# Altium PCB MKRZero_V5.0.PcbDoc (part 2 of 2)
Units mm, origin at the board's own origin, x right, y up, seen from the top; angles counter-clockwise.
Board outline 61.5 x 25 mm, 2 copper layers (Top, Bottom); 92 components, 67 nets, 307 pads, 160 vias.
Unrouted connection lines stored in the file: 95.
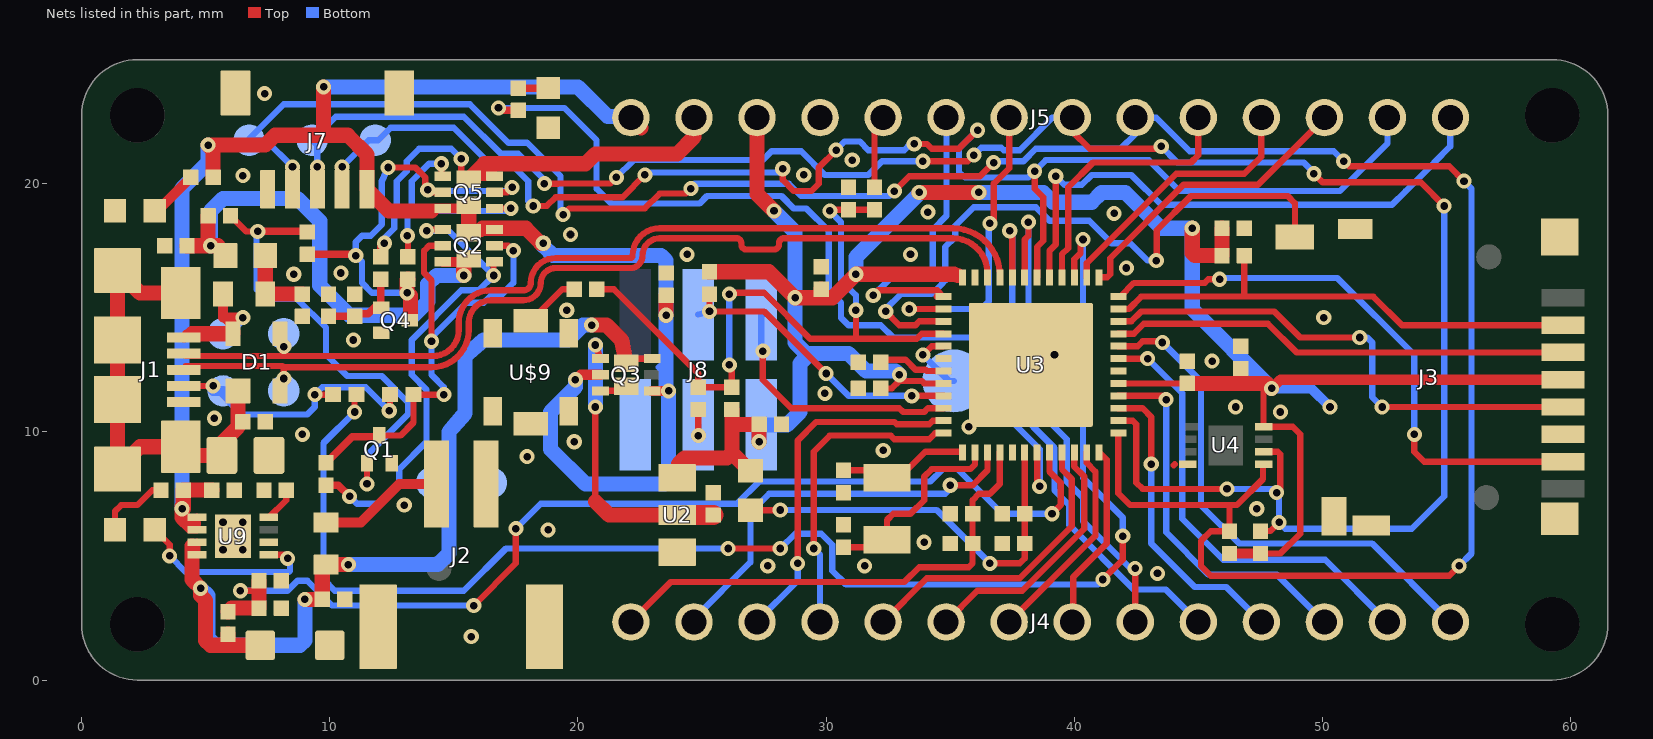
[diagram p2: the nets of this part, all layers, seen from the top]

## Part data
BATT+ BATT- D+ D- ESCL ESDA EWK USB_ID VUSB: library part B1,27, PackageName=B1,27
C1 C2 C3 C4 C5 C7 C8 C9 C10 C11 C12 C13 C14 C15 C19 C27 C28 C29 C30 C32 C33 R1 R2 R3 R4 R5 R6 R7 R8 R9 R10 R11 R12 R13 R14 R15 R16 R17 R18 R19 R20 R22 R23: library part 0402-1005X55N, PackageName=0402-1005X55N
C6: library part C0805, PackageName=C0805
D1: library part SOT190P230X110-4N, PackageName=SOT190P230X110-4N
D2 D3: library part SODFL1008X40N-882D, PackageName=SODFL1008X40N-882D
D4: library part SMA_DO123, PackageName=SMA_DO123
DL1 DL2 DL3: library part LEDC1608X80N-AK, PackageName=LEDC1608X80N-AK
F1 F2: library part 0603-F1608X100N, PackageName=0603-F1608X100N
FD1 FD2 FD3: library part FIDUCIAL-MOUNT, PackageName=FIDUCIAL-MOUNT
FRAME1 FRAME2: library part FRAME, PackageName=FRAME
J1: library part USBMICRO-ZX62-AB-5PA, PackageName=USBMICRO-ZX62-AB-5PA
J2: library part JST-S2B-PH-SM4-TB, PackageName=JST-S2B-PH-SM4-TB
J3: library part AMPHENOL_114-00841-68, PackageName=AMPHENOL_114-00841-68
J4 J5: library part STRIP-14-MODULI-A11, PackageName=STRIP-14-MODULI-A11
J7: library part SM05B-SRSS-TB, PackageName=SM05B-SRSS-TB
J8: library part 2X3_SMT, PackageName=2X3_SMT
L2 L6: library part 0603-1608X90N, PackageName=0603-1608X90N
PA28: library part B2,54, PackageName=B2,54
Q1 Q4: library part SOTFL50P160X78-3, PackageName=SOTFL50P160X78-3
Q2 Q5: library part SON65P200X200X60-8N-DM, PackageName=SON65P200X200X60-8N-DM
Q3: library part SON65P205X205X75-8N-MWSD, PackageName=SON65P205X205X75-8N-MWSD
U2: library part SOT150P400X160-3N, PackageName=SOT150P400X160-3N
U3: library part QFN50P700X700X90-49XN-EPSQ515, PackageName=QFN50P700X700X90-49XN-EPSQ515
U4: library part SON50P300X200X60-9N-EP160X140, PackageName=SON50P300X200X60-9N-EP160X140
U9: library part 2X3DFN, PackageName=2X3DFN
U$5 U$6 U$7 U$8: library part MH_RND_F_2.2MM_NM, PackageName=MH_RND_F_2.2MM_NM
U$9: library part C&K_PTS820_NOPEGS, PackageName=C&K_PTS820_NOPEGS
Y1: library part QUARZO-ABS07, PackageName=QUARZO-ABS07

## Free pads (board coordinates)
  round 2.2 hole 2.2 unplated: MH1(2.25,2.25) MH2(59.25,2.25) MH3(59.25,22.75) MH4(2.25,22.75)

## Via types
v1: diameter 0.61/0.61 (per signal layer), hole 0.305, Top to Bottom, 160 vias

## Nets (pads, with @x,y where several pads share a name; then routed paths per layer and width w, separated by ;. In a path a pad name is that pad's centre, name@x,y a point inside that pad or via, vN(x,y) a via of type N, cw(c..) or ccw(c..) an arc to the next point about the centre after c; other vN are vias at no path point)
+3V3: C1.1 C10.1 C19.1 C28.1 C29.1 C33.1 J3.4 J5.12 J8.1 L6.1 R7.2 R16.2 R17.2 R22.2 R23.2 U2.3 U3.17 U3.36 U3.44 U4.8 | length 101.1
  Top w0.254: C28.1@32.2,11.75 32.65,11.75 v1@32.95,12.05 ; v1(32.95,12.3) v1@32.95,12.05 ; U3.44@34.725,11.95 33.95,11.95 33.85,12.05 v1@32.95,12.05 ; 35.3,16.3 35.425,16.3 U3.36@35.5,16.225 ; U3.17@41.775,11.95 C19.1@44.55,11.95 ; 47.4,11.95 47.625,11.725 U4.8@47.625,10.2 48.8,10.2 49.1,9.9 49.1,5.9 48.3,5.1 R22.2@47.5,5.1
  Top w0.305: v1(47.95,11.75) v1@47.975,11.725
  Top w0.406: R23.2@46.25,5.1 R22.2@47.5,5.1 ; v1(47.95,11.75) 48.3,12.1 J3.4@59.688,12.1
  Top w0.61: U2.3@24,8.15 24.05,8.7 24.3,8.95 26,8.95 26.2,9.15 ; R7.2@25.3,16.45 27.7,16.45 v1(28.75,15.4) 29.7,15.4 ; R16.2@26.2,10.9 26.2,10.2 ; L6.1@26.95,8.44 26.91,8.44 26.2,9.15 ; J5.12@27.215,22.66 27.215,19.585 v1(27.9,18.9) ; v1(27.3,9.6) C10.1@27.3,10.3 26.3,10.3 26.2,10.2 ; C29.1@29.8,15.75 29.8,15.5 29.7,15.4 ; v1(33.75,19.65) v1(36.15,19.65) ; 35.3,16.3 35.15,16.35 v1(31.2,16.35) 30.25,15.4 29.7,15.4 ; C19.1@44.55,11.95 46.9,11.95 ; v1(44.75,18.2) 44.75,17.2 44.85,17.1 45.95,17.1 C1.1@45.95,18.2 ; C33.1@46.7,12.55 46.7,12.15 46.9,11.95 ; v1@47.8,11.9 v1(47.95,11.75) 47.75,11.95 47.4,11.95 46.9,11.95 ; 26.2,9.15 26.2,10.2
  Bottom w0.406: v1(47.95,11.75) 49.55,11.75 v1(50.3,11)
  Bottom w0.61: v1(27.3,9.6) 27.3,10.187 J8.1@27.39,10.278 28.427,10.278 28.95,10.8 28.95,12.75 29.275,13.075 ; v1(27.9,18.9) 28.75,18.05 v1(28.75,15.4) 28.75,13.6 29.275,13.075 ; v1(31.2,16.35) 31.2,17.05 33.7,19.55 v1(33.75,19.65) ; v1(32.95,12.3) 32.8,12.45 31.6,12.45 30.9,13.15 29.35,13.15 29.275,13.075 ; v1(36.15,19.65) 38.75,19.65 39.15,19.25 40.7,19.25 41.1,19.65 42.05,19.65 43.5,18.2 v1(44.75,18.2) 44.75,14.95 v1(47.95,11.75)
+5V: C2.1 J5.14 J7.1 Q2.D2 Q2.D2' Q3.A Q3.G Q5.D2 Q5.D2' R4.2 R5.2 R10.2 U9.1 U9.2 | length 80
  Top w0.305: 4.5,6.3 4.35,6.05 U9.2@4.65,6.05 U9.1@4.65,6.55
  Top w0.406: 14.1,18.9 14.2,19 Q5.D2@14.56,19 15.475,19 Q5.D2'@15.6,19.125 ; Q2.D2'@15.6,18.025 15.725,18.15 16.1,18.15 Q2.D2@16.64,18.15 Q2.D2@16.95,18.15 ; v1(19.9,12.1) 20.1,12.3 Q3.G@20.91,12.3 ; Q3.A@22.99,11.65 v1(23.65,11.65)
  Top w0.61: v1@4.05,7 v1(4.05,6.9) ; 4.5,6.3 4.4,6.2 4.05,6.55 v1(4.05,6.9) ; C2.1@5.25,7.65 R5.2@4.1,7.65 4.1,6.9 v1(4.05,6.9) ; R4.2@5.3,20.25 5.3,21.35 v1(5.1,21.55) 7.4,21.55 7.8,21.95 9.6,21.95 ; v1(9.75,23.9) 9.75,22.1 9.6,21.95 ; 14.1,18.9 12.375,18.9 11.5,19.775 11.5,21.175 10.725,21.95 9.6,21.95 ; Q2.D2'@15.6,18.025 Q5.D2'@15.6,19.125 ; 16.1,18.15 16.15,18.2 17.9,18.2 18.5,17.6 v1(18.6,17.6) ; J5.14@22.135,22.66 J5.14@22.545,22.25 ; v1(23.55,14.7) R10.2@23.55,15.5
  Bottom w0.254: 23.25,12.6 23.55,12.3 ; v1@23.55,11.75 v1(23.65,11.65) v1@23.7,11.6
  Bottom w0.61: v1(4.05,6.9) 4.05,19.8 5.1,20.85 v1(5.1,21.55) ; v1(9.75,23.9) 20,23.9 21.2,22.7 22.095,22.7 J5.14@22.135,22.66 ; v1(18.6,17.6) 18.6,17.5 19,17.1 23.35,17.1 23.55,16.9 v1(23.55,14.7) 23.55,12.3 v1@23.55,11.75 ; v1(19.9,12.1) 19.9,11.8 18.9,10.8 18.9,9.3 20.3,7.9 23.5,7.9 23.65,8.05 v1(23.65,11.65)
GND: BATT-.PP C1.2 C2.2 C3.2 C4.2 C5.2 C6.2 C7.2 C8.2 C9.1 C10.2 C11.1 C12.2 C13.2 C14.2 C15.2 C19.2 C27.2 C28.2 C29.2 C30.2 C32.2 C33.2 D4.A DL1.C DL3.C J1.5 J2.2 J2.3 J2.4 J3.6 J3.CD2 J3.SH1 J3.SH2 J3.SH3 J3.SH4 J5.11 J7.5 J7.SH1 J7.SH2 J8.5 Q1.S Q4.S R2.1 R3.1 R9.1 R10.1 R12.1 U2.1 U3.5 U3.18 U3.35 U3.42 U3.49 U4.4 U9.6 U9.PAD U$9.1 U$9.2 U$9.3 U$9.4 U$9.5 | length 0.1
  Top w0.254: 44,8.65 44.05,8.7
  other v1: 15.7,1.75 43.35,4.3 27.65,4.6 31.55,4.6 5.7,5.25 6.5,5.25 33.95,5.55 18.8,6.05 5.7,6.35 6.5,6.35 47.35,6.9 13,7.05 17.95,9 32.3,9.25 19.85,9.6 8.9,9.9 35.75,10.2 5.35,10.55 48.3,10.8 46.5,11 29.95,11.55 45.55,12.85 39.2,13.1 10.95,13.7 50.05,14.6 19.55,14.9 8.55,16.35 10.45,16.4 42.1,16.6 24.4,17.15 33.4,17.15 19.7,17.95 41.6,18.8 34.1,18.85 6.5,20.325 29.1,20.35 31.05,20.95 7.375,23.625
N17650912: D1.4 F2.2 J1.1 VUSB.PP | length 5.8
  Top w0.305: 5.7,14.6 6.25,14.05 6.2,14.05 D1.4@6.1,13.95
  Top w0.406: J1.1@4.125,13.8 4.275,13.95 J1.1@4.45,13.95 ; F2.2@5.7,15.55 5.7,14.6 v1(6.5,14.6)
  Top w0.61: J1.1@4.45,13.95 D1.4@6.1,13.95
  Bottom w0.406: VUSB.PP@5.7,13.95 5.85,13.95 v1(6.5,14.6)
N17658775: R13.1 U$9.6 | length 2.3
  Top w0.254: U$9.6@18.1,14.475 19.375,15.75 R13.1@19.85,15.75
N17690335: Q2.S1 Q2.S2 R8.2 | length 19.2
  Top w0.254: v1(13.9,18.1) 13.95,18.15 Q2.S2@14.56,18.15 ; v1(16.6,16.3) 16.6,16.81 Q2.S1@16.64,16.85
  Top w0.305: R8.2@9.85,7.85 10.35,7.85 v1(10.8,7.4)
  Bottom w0.254: v1(10.8,7.4) 11.1,7.1 12,7.1 12.8,7.9 12.8,8.5 13.9,9.6 13.9,11.7 13.3,12.3 13.3,13.7 15.3,15.7 16,15.7 v1(16.6,16.3) 14.8,18.1 v1(13.9,18.1)
N17690346: D2.A Q1.D Q2.G1 Q2.G2 R8.1 | length 20.2
  Top w0.254: Q1.D@11.93,9.8 Q1.D@12,9.87 12.02,9.85 12.85,9.85 13.375,10.375 D2.A@13.375,11.5 v1(14.6,11.5) ; v1(14.1,13.65) 14.1,16.1 13.8,16.4 13.8,17.3 14,17.5 Q2.G2@14.56,17.5 ; Q2.G1@16.64,17.5 17.2,17.5 v1(17.4,17.3)
  Top w0.305: R8.1@9.85,8.75 10.9,9.8 Q1.D@11.93,9.8
  Bottom w0.254: v1@14.15,13.8 v1(14.1,13.65) ; v1(14.6,11.5) 14.6,11.8 14.1,12.3 v1(14.1,13.65) ; v1(17.4,17.3) 17.4,16 16.9,15.5 16.5,15.5 16.2,15.2 15.5,15.2 14.15,13.85 14.15,13.7 v1(14.1,13.65)
N17690381: Q1.G R1.2 R6.1 | length 19.2
  Top w0.254: R6.1@6,18.7 6.625,18.075 v1(7.1,18.075) ; v1(11.5,7.9) Q1.G@11.5,8.73
  Top w0.305: v1(7.1,18.075) 9.1,18.075 R1.2@9.1,18.05
  Bottom w0.25: 7.05,15.75 7.45,15.35 8.7,15.35 9.85,14.2 9.85,13.1 10.7,12.25
  Bottom w0.254: 7.05,15.75 7.05,18.025 v1(7.1,18.075) ; 10.7,12.25 12.1,12.25 13.15,11.2 13.15,10.7 11.5,9.05 v1(11.5,7.9)
N17690821: Q5.S1 Q5.S2 R14.2 | length 9.8
  Top w0.254: v1(13.13,17.9) 13.15,17.85 R14.2@13.15,17.05 ; v1(14.5,20.8) 14.5,20.36 Q5.S1@14.56,20.3 ; Q5.S2@16.64,19 v1(17.3,19)
  Bottom w0.254: v1(13.13,17.9) 13.13,18.73 13.3,18.9 ; v1(14.5,20.8) 14,20.8 13.3,20.1 13.3,18.9 ; v1(17.3,19) 17.2,18.9 13.3,18.9
N17690840: Q4.D Q5.G1 Q5.G2 R1.1 R14.1 | length 18.4
  Top w0.254: v1(12.35,20.65) 13.45,20.65 13.85,20.25 13.85,19.85 v1(13.95,19.75) 14.05,19.65 Q5.G1@14.56,19.65 ; Q5.G2@16.64,19.65 17.15,19.65 v1(17.35,19.85)
  Top w0.305: R1.1@9.1,17.15 11.05,17.15 v1(11.05,17.1) ; v1(13.12,15.6) 13.15,15.6 v1@13.25,15.5 ; Q4.D@13.22,14.5 13.25,14.53 Q4.D@13.25,14.75
  Top w0.406: v1@13.1,15.6 v1(13.12,15.6)
  Top w0.61: v1(13.12,15.6) 13.12,16.12 R14.1@13.15,16.15 ; Q4.D@13.25,14.75 v1@13.25,15.5
  Bottom w0.254: v1(12.35,20.65) 12.1,20.1 12.1,18.35 11.65,17.9 11.3,17.9 11.05,17.65 v1(11.05,17.1) 11.3,16.85 11.3,16 11.7,15.6 v1(13.12,15.6) ; v1(13.95,19.75) 13.9,19.7 17.2,19.7 v1(17.35,19.85)
N17690878: C15.1 Q4.G R11.1 R12.2 | length 3.5
  Top w0.305: C15.1@9.95,14.65 R12.2@11,14.65 11.1,14.75 11.55,14.75 11.83,15.03 Q4.G@12.05,15.03 ; R11.1@11.98,16.15 R11.1@12.05,16.15 Q4.G@12.05,15.03 ; Q4.G@12.08,15 Q4.G@12.05,15.03
N17792230: R3.2 U9.8 | length 1.4
  Top w0.254: U9.8@7.55,6.55 8.25,7.25 R3.2@8.25,7.65
N17798864: DL2.A R5.1 | length 3
  Top w0.254: DL2.A@1.35,6.05 1.35,6.8 1.6,7.05 2.25,7.05 2.85,7.65 R5.1@3.2,7.65
N17834267: DL1.A R4.1 | length 2
  Top w0.406: DL1.A@2.95,18.9 3.05,18.9 R4.1@4.4,20.25
N17852357: C27.1 C30.1 L6.2 U3.6 | length 16.3
  Top w0.254: L6.2@26.95,6.84 28.14,6.84 v1(28.15,6.85) ; v1(36.6,4.7) 37.8,4.7 38,4.9 38,5.5 38.001,5.501 C27.1@38.001,6.7 ; C27.1@38.001,6.7 U3.6@38,9.175
  Bottom w0.254: v1(28.15,6.85) 34.45,6.85 v1(36.6,4.7)
N17852431: C32.1 U3.43 | length 2.9
  Top w0.254: C32.1@32.201,12.8 32.3,12.9 33.2,12.9 33.6,12.5 34,12.5 34.05,12.45 U3.43@34.725,12.45 U3.43@34.55,12.45
N$1: C6.1 D1.1 J1.6 J1.7 J1.8 J1.9 J1.10 J1.11 R2.2 | length 19.1
  Top w0.305: R2.2@6.3,10.2 R2.2@6.5,10.4
  Top w0.61: J1.11@4,15.6 2.35,15.6 J1.10@1.45,16.5 J1.9@1.45,13.7 J1.8@1.45,11.3 J1.7@1.45,8.5 2.35,9.4 J1.6@4,9.4 ; J1.6@4.2,9.2 J1.6@4,9.4 ; D1.1@6.3,11.65 6.3,10.2 5.7,9.6 5.7,9.1 C6.1@5.65,9.05 4.35,9.05 J1.6@4,9.4
N$2: C4.1 F2.1 L2.1 | length 3.1
  Top w0.61: L2.1@7.4,17.1 F2.1@7.4,15.55 C4.1@8.9,15.55
N$3: F1.1 J2.1 | length 5.1
  Top w0.406: F1.1@9.85,6.35 11.25,6.35 12.8,7.9 J2.1@14.3,7.9
N$4: J8.3 R15.1 | length 1.5
  Top w0.254: v1(24.85,9.85) R15.1@24.85,10.9
  Bottom w0.254: v1(24.85,9.85) J8.3@24.85,10.278
N$5: PA28.PP U3.41 | length 2.8
  Top w0.254: v1(33.9,13.1) 34.25,13.45 U3.41@34.725,13.45
  Bottom w0.254: v1@34,13.1 v1(33.9,13.1) 34.95,12.05 PA28.PP@35.15,12.05
N$6: C13.1 R9.2 R19.1 U3.8 | length 43.6
  Top w0.254: v1(6.4,3.6) 7.05,3.6 7.15,3.5 ; v1(15.8,3) 17.5,4.7 v1(17.5,6.1) ; U3.8@39,9.175 39,8.4 39.45,7.95 39.45,7.05 v1(39.1,6.7) 39.4,7
  Top w0.61: R19.1@5.9,2.75 6.05,2.9 C13.1@7.15,2.9 7.15,3.5 R9.2@7.15,4
  Bottom w0.254: v1(6.4,3.6) 8.3,3.6 8.7,4 9.1,4 10.1,3 v1(15.8,3) ; v1(17.5,6.1) 18.5,7.1 26.4,7.1 27.3,8 34.2,8 34.7,8.5 35.3,8.5 37.1,6.7 v1(39.1,6.7)
N$7: DL3.A R18.2 | length 1.2
  Top w0.305: R18.2@17.6,23.85 DL3.A@18.8,23.85
PA00_XIN32: C11.2 U3.1 Y1.2 | length 5.4
  Top w0.254: C11.2@30.7,8.45 32.15,8.45 Y1.2@32.45,8.15 32.95,8.15 34,9.2 35.475,9.2 U3.1@35.5,9.175
PA01_XOUT32: C9.2 U3.2 Y1.1 | length 8.2
  Top w0.254: C9.2@30.7,5.35 32.15,5.35 Y1.1@32.45,5.65 32.45,6.45 32.7,6.7 33.4,6.7 33.95,7.25 33.95,8.2 34.25,8.5 35.8,8.5 36,8.7 U3.2@36,9.175
PA02_AIN0: J4.2 U3.3 | length 16.4
  Top w0.254: v1(35,7.85) 35.9,7.85 36.5,8.45 U3.3@36.5,9.175
  Bottom w0.254: J4.2@24.675,2.34 24.675,2.475 26.95,4.75 26.95,6.75 27.7,7.5 34.8,7.5 35,7.7 v1(35,7.85)
PA03_VREFA: C12.1 C14.1 J4.1 U3.4 | length 19.9
  Top w0.254: J4.1@22.135,2.34 23.745,3.95 33.15,3.95 33.75,4.55 35.75,4.55 35.9,4.7 C14.1@35.9,5.5 C12.1@35.9,6.7 35.9,7.25 36.15,7.5 36.6,7.5 37,7.9 U3.4@37,9.175
PA04_AIN4: J4.5 U3.9 | length 12.3
  Top w0.254: J4.5@32.295,2.34 34.055,4.1 37.8,4.1 39.9,6.2 39.9,8.1 39.5,8.5 U3.9@39.5,9.175
PA05_AIN5: J4.6 U3.10 | length 10.4
  Top w0.254: J4.6@34.835,2.34 36.095,3.6 37.9,3.6 40.4,6.1 40.4,8.2 40,8.6 U3.10@40,9.175
PA06_AIN6: J4.7 U3.11 | length 8.4
  Top w0.254: J4.7@37.375,2.34 40.85,5.815 40.85,8.4 40.5,8.75 U3.11@40.5,9.175
PA07_AIN7: J4.8 U3.12 | length 7.5
  Top w0.254: J4.8@39.915,2.34 39.95,2.375 39.95,4.15 41.3,5.5 41.3,8.875 U3.12@41,9.175
PA08_S0_I2C_SDA: ESDA.PP J5.6 J7.4 R23.1 U3.13 U4.5 | length 98.3
  Top w0.25: J7.4@8.5,19.775 v1(8.5,20.675) ; v1(19.4,18.75) 19.65,19 22.7,19 23.3,19.6 v1@24.35,19.6 ; R23.1@46.25,6 46.25,7.05
  Top w0.254: v1@24.35,19.6 v1(24.55,19.8) ; v1(32.75,19.7) 33.35,20.3 36.2,20.3 v1(36.75,20.85) ; U3.13@41.775,9.95 41.775,7.525 42.25,7.05 46.25,7.05 46.55,7.05 47.6,8.1 47.6,8.675 U4.5@47.625,8.7 ; R23.1@46.25,6 45.5,6 45.1,5.6 45.1,4.6 45.5,4.2 55.1,4.2 v1(55.5,4.6) ; v1(50.85,20.9) 51.05,20.7 55.1,20.7 v1(55.7,20.1)
  Bottom w0.25: v1(8.5,20.675) 7.425,21.75 ESDA.PP@6.75,21.75 6.75,21.8 8.15,23.2 15.65,23.2 17.2,21.65 17.95,21.65 19.3,20.3 19.3,18.85 v1(19.4,18.75) ; J5.6@42.455,22.345 J5.6@42.455,22.66
  Bottom w0.254: v1(24.55,19.8) 24.55,19.85 24.7,20 28.5,20 29,19.5 32.55,19.5 v1(32.75,19.7) ; v1(36.75,20.85) 36.8,20.9 37.95,20.9 38.45,21.4 41.86,21.4 42.455,21.995 J5.6@42.455,22.345 ; J5.6@42.455,22.66 42.465,22.65 43.3,22.65 44.65,21.3 50.45,21.3 v1(50.85,20.9) ; v1(55.5,4.6) 56,5.1 56,19.8 v1(55.7,20.1)
PA09_S0_I2C_SCL: ESCL.PP J5.7 J7.3 R22.1 U3.14 U4.6 | length 85.6
  Top w0.25: 19.2,20 21.3,20 v1(21.55,20.25) ; R22.1@47.5,6 47.9,6 v1(48.25,6.35)
  Top w0.254: J7.3@9.5,19.775 v1(9.5,20.675) ; v1(18.65,20) 19.2,20 ; v1(33.9,20.9) 35.7,20.9 v1(35.95,21.15) ; J5.7@39.915,22.66 39.915,22.1 40.615,21.4 43.4,21.4 v1(43.5,21.5) ; U3.14@41.775,10.45 42.35,10.45 42.5,10.3 42.5,7.95 42.75,7.7 v1(46.15,7.7) ; U4.6@47.625,9.2 48.2,9.2 48.3,9.1 48.3,7.7 v1(48.15,7.55) ; v1(49.65,20.4) 50,20.05 53.95,20.05 v1(54.9,19.1)
  Bottom w0.25: 17.6,21.2 18.65,20.15 v1(18.65,20) ; v1@48,7.7 v1(48.15,7.55) 48.25,7.45 v1(48.25,6.35)
  Bottom w0.254: v1(9.5,20.675) 9.5,21.54 ESCL.PP@9.29,21.75 10.24,22.7 15.4,22.7 16.9,21.2 17.6,21.2 ; v1(21.55,20.25) 22.25,20.95 27.45,20.95 27.8,21.3 29,21.3 29.95,20.35 31.7,20.35 32.25,20.9 v1(33.9,20.9) ; v1(35.95,21.15) 36.25,21.45 37.05,21.45 37.15,21.35 37.8,21.35 39.1,22.65 39.905,22.65 J5.7@39.915,22.66 ; v1(43.5,21.5) 44.15,20.85 49.25,20.85 49.65,20.45 v1(49.65,20.4) ; v1(46.15,7.7) v1@48,7.7 ; v1(48.25,6.35) 48.5,6.1 53.6,6.1 54.9,7.4 v1(54.9,19.1)
PA10_TCC0-W2: J4.11 U3.15 | length 12.4
  Top w0.254: U3.15@41.775,10.95 42.75,10.95 43.1,10.6 v1(43.1,8.7) ; J4.11@47.5,2.375 J4.11@47.535,2.34
  Bottom w0.254: v1(43.1,8.7) 43.1,5.5 44.85,3.75 46.125,3.75 J4.11@47.535,2.34
PA11_TCC0-W3: J4.12 U3.16 | length 15.2
  Top w0.254: U3.16@41.775,11.45 43.55,11.45 v1(43.7,11.3) ; J4.12@50.075,2.34 J4.12@50.1,2.365
  Bottom w0.254: v1(43.7,11.3) 43.7,5.95 45.4,4.25 48.165,4.25 J4.12@50.075,2.34
PA12_S2_MOSI: J3.3 U3.21 | length 19
  Top w0.254: 42.25,13.95 U3.21@41.775,13.95 42.4,13.95 42.8,14.35 46.8,14.35 47.8,14.35 48.95,13.2 J3.3@59.688,13.2
PA13_S2_SCK: J3.5 U3.22 | length 21
  Top w0.254: U3.22@41.775,14.45 42.3,14.45 42.7,14.85 48.05,14.85 49.1,13.8 v1(51.5,13.8) ; v1(52.4,11) J3.5@59.688,11
  Bottom w0.254: v1(51.5,13.8) 51.8,13.8 52,13.6 52,11.4 v1(52.4,11)
PA14_S2_NSS: J3.2 R17.1 U3.23 | length 20.3
  Top w0.254: U3.23@41.775,14.95 42.2,14.95 42.7,15.45 46.8,15.45 ; R17.1@46.85,17.1 46.85,15.5 46.8,15.45 ; J3.2@59.688,14.3 53.2,14.3 52.05,15.45 46.8,15.45
PA15_S2_MISO: J3.7 U3.24 | length 23.6
  Top w0.254: U3.24@41.775,15.45 41.85,15.45 42.4,16 45.25,16 45.4,16.15 v1(45.85,16.15) ; v1(53.7,9.9) 53.7,9.2 54.1,8.8 J3.7@59.688,8.8
  Bottom w0.254: v1(45.85,16.15) 45.9,16.2 50.6,16.2 53.7,13.1 v1(53.7,9.9)
PA16_S1_MOSI: J5.3 U3.25 | length 12.1
  Top w0.254: U3.25@41,16.225 41.325,16.225 41.45,16.35 41.45,17 44.4,19.95 47.4,19.95 50.075,22.625 J5.3@50.075,22.66
PA17_S1_SCK: J5.4 U3.26 | length 11.3
  Top w0.254: U3.26@40.5,16.55 U3.26@40.5,16.225 40.5,16.8 44.1,20.4 46.85,20.4 47.535,21.085 J5.4@47.535,22.66
PA18_USB_ID: D3.A U3.27 | length 58.8
  Top w0.254: v1(11,10.8) 11,11.675 D3.A@11.075,11.5 ; v1(26.05,5.3) v1(28.15,5.3) ; U3.27@40,16.225 40,16.95 40.25,17.2 40.25,17.65 v1(40.35,17.75) ; v1(41.15,4.05) 41.95,4.85 v1(41.95,5.8)
  Bottom w0.254: v1(11,10.8) 9.75,9.55 9.75,4.05 10.2,3.6 15.4,3.6 17.1,5.3 v1(26.05,5.3) ; v1(28.15,5.3) 28.75,5.9 29.8,5.9 30.25,5.45 30.25,4.4 30.8,3.85 40.95,3.85 v1(41.15,4.05) ; v1(40.35,17.75) 40.35,8.15 41.95,6.55 v1(41.95,5.8)
PA19_S1_MISO: J5.5 U3.28 | length 11
  Top w0.254: U3.28@39.5,16.225 39.5,17.15 39.75,17.4 39.75,19.85 40.75,20.85 44.7,20.85 44.995,21.145 J5.5@44.995,22.66
PA20_TCC0-W6: J5.1 U3.29 | length 23
  Top w0.254: U3.29@39,16.225 39,17.3 39.25,17.55 v1(39.25,20.3)
  Bottom w0.25: 53.35,19.7 54.5,20.85
  Bottom w0.254: v1(39.25,20.3) 39.6,19.95 40.3,19.95 40.7,20.35 42.3,20.35 43.5,19.15 52.8,19.15 53.35,19.7 ; 54.5,20.85 55.15,21.5 55.15,22.655 J5.1@55.155,22.66
PA21_TCC0-W7: EWK.PP J5.2 J7.2 U3.30 | length 58.8
  Top w0.25: J7.2@10.5,19.775 v1(10.5,20.675) ; v1(18.2,19.1) 18.75,19.1 19.1,19.45 21.8,19.45 v1(22.7,20.35)
  Top w0.254: v1@22.7,20.2 v1(22.7,20.35) ; v1(28.25,20.6) 28.25,20.15 28.7,19.7 29.4,19.7 29.7,20 29.7,20.65 v1(30.4,21.35) ; v1(33.55,21.6) 34.05,21.6 34.25,21.4 35.35,21.4 v1(36.1,22.15) ; v1(38.4,20.5) 38.4,19.8 38.75,19.45 38.75,17.7 38.5,17.45 U3.30@38.5,16.225
  Bottom w0.25: v1(10.5,20.675) 11.575,21.75 EWK.PP@11.83,21.75 11.95,21.75 12.45,22.25 15,22.25 16.55,20.7 17.4,20.7 18,20.1 18,19.3 v1(18.2,19.1) ; 51.3,20.3 52.3,21.3
  Bottom w0.254: v1(22.7,20.35) 22.8,20.45 28.1,20.45 v1(28.25,20.6) ; v1(30.4,21.35) 30.75,21.7 31.35,21.7 31.7,21.35 33.15,21.35 33.4,21.6 v1(33.55,21.6) ; v1(36.1,22.15) 35.35,21.4 35.35,20.45 35.6,20.25 38.15,20.25 v1(38.4,20.5) ; v1@38.45,20.6 v1(38.4,20.5) ; 51.3,20.3 50.7,19.7 44.25,19.7 43,20.95 38.85,20.95 v1(38.4,20.5) ; 52.3,21.3 52.615,21.615 J5.2@52.615,22.66
PA22_TC4-W0: J4.9 U3.31 | length 20.6
  Top w0.254: U3.31@38,16.225 38,17.75 38.15,17.9 v1(38.15,18.45) ; v1(42.45,4.5) 42.455,4.645 J4.9@42.455,2.34
  Bottom w0.254: v1(38.15,18.45) 38.15,11.25 39.7,9.7 39.7,8 40.35,7.35 40.35,6.4 42.25,4.5 v1(42.45,4.5)
PA23_TC4-W1: J4.10 U3.32 | length 21.6
  Top w0.254: v1(37.4,18.1) 37.5,18 U3.32@37.5,16.225
  Bottom w0.254: v1(37.4,18.1) 37.5,18 37.5,11.05 39.2,9.35 39.2,7.65 39.8,7.05 39.8,6.25 42.4,3.65 43.685,3.65 J4.10@44.995,2.34
PA27_CD: J3.CD1 U3.39 | length 26.2
  Top w0.254: v1(32.4,14.85) 32.95,14.3 33.6,14.3 33.75,14.45 U3.39@34.725,14.45 ; v1(43.3,16.9) 43.32,16.88 43.32,18.12 44.7,19.5 48.6,19.5 48.888,19.212 J3.CD1@48.888,17.85
  Bottom w0.25: v1(32.4,14.85) 32.4,14.95 33,15.55 34.25,15.55 34.65,15.95 ; 34.8,17.45 35.2,17.85 35.2,18.3 35.95,19.05 38.45,19.05
  Bottom w0.254: 34.65,15.95 34.8,16.1 34.8,17.45 ; 38.45,19.05 39,18.5 40.6,18.5 41.5,17.6 42.2,17.6 42.225,17.625 42.95,16.9 v1(43.3,16.9)
PA30_SWCLK: J8.4 R7.1 U3.45 | length 12
  Top w0.25: v1(25.3,14.85) R7.1@25.3,15.55
  Top w0.254: v1(25.3,14.85) 27.5,14.85 v1(30,12.35) ; v1(33.45,11.45) U3.45@34.725,11.45
  Bottom w0.25: J8.4@24.85,14.723 v1(25.3,14.85)
  Bottom w0.254: v1(30,12.35) 30.9,11.45 v1(33.45,11.45)
PA31_SWDIO: J8.2 U3.46 | length 10.6
  Top w0.254: v1(27.45,13.25) 27.45,12.1 28.6,10.95 32.95,10.95 33.1,10.8 33.95,10.8 34.1,10.95 U3.46@34.725,10.95
  Bottom w0.254: J8.2@27.412,14.7 J8.2@27.39,14.723 27.39,13.31 v1(27.45,13.25)
PB02_AIN10: J4.3 U3.47 | length 14.3
  Top w0.254: v1(28.85,4.7) 28.85,9.65 29.6,10.4 32.75,10.4 32.85,10.3 34.15,10.3 34.3,10.45 U3.47@34.725,10.45
  Bottom w0.254: J4.3@27.215,2.365 28.85,4 v1(28.85,4.7)
  Bottom w0.305: J4.3@27.215,2.34 J4.3@27.215,2.365
PB03_AIN11: J4.4 U3.48 | length 12.6
  Top w0.254: v1(29.5,5.3) 29.5,9.2 30.15,9.85 32.6,9.85 32.75,9.7 34.15,9.7 34.4,9.95 U3.48@34.725,9.95
  Bottom w0.25: v1(29.5,5.3) 29.755,5.045 J4.4@29.755,2.34
PB08_LED: R18.1 U3.7 | length 36.3
  Top w0.254: 38.5,8.65 U3.7@38.5,9.175 38.5,7.9 v1(38.6,7.8)
  Top w0.305: v1(16.8,23.05) 16.8,22.95 R18.1@17.6,22.95
  Bottom w0.25: 20.75,19.8 21.35,19.2 23.6,19.2
  Bottom w0.254: v1(16.8,23.05) 19.45,23.05 20.75,21.75 20.75,19.8 ; 23.6,19.2 24.9,19.2 25.2,19.5 28.2,19.5 28.7,19 29.2,19 30.1,18.1 30.1,15.7 30.6,15.2 30.6,14.6 30.9,14.3 32.2,14.3 32.7,13.8 36.4,13.8 36.85,13.35 36.85,11.05 38.6,9.3 v1(38.6,7.8)
PB10_TCC0-W4: J4.13 U3.19 | length 18.2
  Top w0.254: U3.19@41.775,12.95 v1(42.95,12.95)
  Bottom w0.254: v1(42.95,12.95) 44.35,11.55 44.35,6.5 46,4.85 50.105,4.85 J4.13@52.615,2.34
PB11_TCC0-W5: J4.14 U3.20 | length 21.1
  Top w0.254: U3.20@41.775,13.45 42.55,13.45 42.75,13.65 43.5,13.65 v1(43.55,13.6)
  Bottom w0.254: v1(43.55,13.6) 45.1,12.05 45.1,7.05 46.65,5.5 51.995,5.5 J4.14@55.155,2.34
PB22_S5_TX: J5.9 U3.37 | length 12.5
  Top w0.254: v1(31.9,15.5) 32.1,15.7 34.475,15.7 U3.37@34.725,15.45 U3.37@34.45,15.45
  Bottom w0.254: v1(31.9,15.5) 32.6,16.2 34.05,16.2 34.3,16.45 34.3,18.15 34.85,18.7 34.85,22.645 J5.9@34.835,22.66
PB23_S5_RX: J5.8 U3.38 | length 12.5
  Top w0.25: v1(36.6,18.4) 36.75,18.55 36.75,20
  Top w0.254: v1(33.35,14.95) U3.38@34.725,14.95 ; 36.75,20 37.375,20.625 J5.8@37.375,22.66
  Bottom w0.25: 36.55,15.25 36.55,18.35 v1(36.6,18.4)
  Bottom w0.254: v1(33.35,14.95) 36.25,14.95 36.55,15.25
RESET#: J5.10 R20.2 | length 3.3
  Top w0.254: R20.2@31.95,19.85 31.95,22.315 J5.10@32.295,22.66 ; J5.10@32.05,22.415 J5.10@32.295,22.66 ; J5.10@32.3,22.655 J5.10@32.295,22.66
RESETN: C7.1 R13.2 R15.2 R16.1 R20.1 U3.40 | length 28.1
  Top w0.25: v1(26.1,15.55) 26.15,15.6 27.5,15.6 29.35,13.75 31.3,13.75 ; 31.2,13.85 31.3,13.75 ; 31.65,13.75 31.3,13.75
  Top w0.254: R13.2@20.75,15.75 21.45,15.75 24.85,12.35 R15.2@24.85,11.8 R16.1@26.2,11.8 26.2,12.6 v1(26.1,12.7) ; v1(30.15,18.9) 30.2,18.95 C7.1@30.9,18.95 R20.1@31.95,18.95 ; 31.2,13.85 v1(31.2,14.9) ; 31.65,13.75 33.65,13.75 33.85,13.95 U3.40@34.725,13.95
  Bottom w0.254: v1(26.1,12.7) v1(26.1,15.55) ; v1(30.15,18.9) 30.6,18.45 30.6,16.1 31.2,15.5 v1(31.2,14.9)
STAT: DL2.C U9.5 | length 7.9
  Top w0.254: DL2.C@2.95,6.05 3.55,5.45 v1(3.55,5) ; U9.5@7.55,5.05 8.15,5.05 v1(8.3,4.9)
  Bottom w0.254: v1(3.55,5) 4.2,4.35 8.35,4.35 8.4,4.4 8.4,4.9 v1(8.3,4.9)
USB_ID: D2.C D3.C J1.4 USB_ID.PP | length 12
  Top w0.254: J1.4@4.125,11.85 v1(5.3,11.85) ; v1(9.4,11.5) D3.C@10.125,11.5 ; v1@12.375,10.875 v1(12.4,10.85) 12.425,10.875 D2.C@12.425,11.5
  Bottom w0.254: v1(5.3,11.85) 6.45,10.7 9.1,10.7 9.4,11 v1(9.4,11.5) 9.7,11.8 11.45,11.8 v1(12.4,10.85) v1@12.3,10.85
  Bottom w0.406: v1(5.3,11.85) 5.3,11.65 USB_ID.PP@5.7,11.65
USB_N: D1.3 D-.PP J1.2 U3.33 | length 38.9
  Top w0.25: J1.2@4.125,13.15 4.2,13.075 4.2,13.051 8.15,13.051 ; D1.3@8,13.95 v1(8.15,13.435) 8.15,13.051 ; U3.33@37,16.501 U3.33@37,16.225 ccw(c37,16.226) U3.33@37,16.225 37.001,16.3 ccw(c35.1,16.3) 35.1,18.201 23.3,18.201 ccw(c23.3,17.1) 22.199,17.1 cw(c22.1,17.1) 22.1,17.001 19.1,17.001 ccw(c19.1,16) 18.099,16 cw(c17.8,16) 17.8,15.701 16.5,15.701 ccw(c16.5,14.4) 15.199,14.4 15.199,14.1 cw(c14.15,14.1) 14.15,13.051 8.15,13.051
  Bottom w0.25: v1(8.15,13.435) D-.PP@8.15,13.95
USB_P: D1.2 D+.PP J1.3 U3.34 | length 38.6
  Top w0.25: J1.3@4.125,12.5 4.2,12.575 4.2,12.649 8.1,12.649 8.15,12.599 ; D1.2@8,11.65 v1(8.15,12.15) 8.15,12.599 ; U3.34@36.5,16.225 36.5,16.399 ccw(c35.1,16.399) 35.1,17.799 28.3,17.799 ccw(c28.3,17.598) 28.099,17.598 28.099,17.55 cw(c27.898,17.55) 27.898,17.349 26.786,17.349 cw(c26.786,17.55) 26.585,17.55 26.585,17.598 ccw(c26.384,17.598) 26.384,17.799 23.3,17.799 ccw(c23.3,17.1) 22.601,17.1 cw(c22.1,17.1) 22.1,16.599 19.1,16.599 ccw(c19.1,16) 18.501,16 cw(c17.8,16) 17.8,15.299 16.5,15.299 ccw(c16.5,14.4) 15.601,14.4 15.601,14.1 cw(c14.1,14.1) 14.1,12.599 8.15,12.599
  Bottom w0.25: D+.PP@8.15,11.65 v1(8.15,12.15)
VBATT: BATT+.PP C3.1 D4.C F1.2 Q3.D Q3.D2 R19.2 U9.3 U9.4 | length 41.4
  Top w0.254: Q3.D2@21.95,12.767 21.933,12.95 Q3.D@22.99,12.95
  Top w0.305: 4.45,5.35 U9.3@4.65,5.55 U9.4@4.65,5.05
  Top w0.61: 4.45,5.4 4.45,5.35 4.45,4.05 v1(4.8,3.7) 4.8,3.4 5,3.2 5,1.6 5.2,1.4 6,1.4 ; R19.2@5.9,1.85 5.9,1.5 6,1.4 ; D4.C@7.2,1.4 6,1.4 ; v1(9,3.25) C3.1@9.7,3.25 9.7,4.5 F1.2@9.85,4.65 v1(10.75,4.65) ; v1(20.55,14.3) 21.15,14.3 21.75,13.7 Q3.D2@21.95,12.767
  Bottom w0.61: v1(4.8,3.7) 5.1,3.4 5.1,1.7 5.4,1.4 8.8,1.4 9,1.6 v1(9,3.25) 9,2.8 ; v1(10.75,4.65) 14.35,4.65 14.8,5.1 14.8,8 ; BATT+.PP@14.1,7.955 14.755,7.955 14.8,8 ; v1(20.55,14.3) 20.2,14.3 19.6,13.7 16.2,13.7 15.45,13.05 15.45,10.75 14.8,10 14.8,8
VIN: J5.13 Q5.D1 Q5.D1' R11.2 | length 19.5
  Top w0.254: v1(15.3,21) 15.3,20.475 Q5.D1'@15.6,20.175
  Top w0.305: R11.2@12.05,17.05 12.05,17.45 v1(12.2,17.6)
  Top w0.406: Q5.D1'@15.6,20.175 15.775,20.3 Q5.D1@16.64,20.3
  Top w0.61: Q5.D1'@15.6,20.175 16.225,20.8 20.3,20.8 20.7,21.2 24,21.2 24.675,21.875 J5.13@24.675,22.66
  Bottom w0.254: v1(12.2,17.6) 12.2,17.8 12.6,18.2 12.6,18.7 12.7,18.8 12.7,20.1 13.1,20.5 13.1,20.9 13.6,21.4 14.9,21.4 v1(15.3,21)
VLDO: C8.1 Q3.K Q3.K2 Q3.S U2.2 | length 12.7
  Top w0.254: 20.7,7.2 v1(20.7,11) ; Q3.K@20.7,11.64 Q3.K@20.91,11.65 Q3.K2@21.567,11.65 ; v1(20.7,13.5) 20.71,13.49 Q3.S@20.91,12.95
  Top w0.61: 20.7,7.2 21.25,6.65 U2.2@24,6.65
  Top w0.813: U2.2@24,6.65 C8.1@25.45,6.65
  Bottom w0.61: v1(20.7,11) v1(20.7,13.5)
VUSB: C5.1 L2.2 Q2.D1 Q2.D1' R6.2 | length 21.2
  Top w0.406: Q2.D1@14.56,16.85 15.475,16.85 Q2.D1'@15.6,16.975
  Top w0.61: C5.1@4.25,17.5 v1(5.2,17.5) ; R6.2@5.1,18.7 5.1,17.6 v1(5.2,17.5) ; L2.2@5.8,17.1 5.5,17.5 v1(5.2,17.5) ; v1(15.4,16.3) 15.4,16.775 Q2.D1'@15.6,16.975
  Bottom w0.61: v1(5.2,17.5) 5.2,18.9 5.7,19.4 8.7,19.4 9.6,18.5 9.6,15.9 10.8,14.7 13.4,14.7 13.95,15.25 13.95,15.95 14.3,16.3 v1(15.4,16.3)
pads on no net: FD1.P$1 FD2.P$1 FD3.P$1 J3.1 J3.8 J8.6 Q3.NC U4.1 U4.2 U4.3 U4.7 U4.9 U9.7

## Polygon pours and split planes (outlines as drawn)
VLDO on Top "Polygon_1_Net_VLDO" (solid, remove dead copper, pour order 0): 20.373,11.927 22.327,11.927 22.327,11.427 22.353,11.427 22.653,11.127 24.327,11.127 24.327,9.547 23.995,9.216 23.31,8.335 23.036,7.694 23.276,6.973 20.832,6.973 20.373,7.662

## Keep-outs
Top:
  circle w0.254: c59.25,2.25 r2.228
  circle w0.254: c59.25,22.75 r2.228
  circle w0.254: c2.25,22.75 r2.228
  circle w0.254: c2.25,2.25 r2.228
  lines w0.1: 20.25,7.755 20.3,7.755 20.3,11.8 22.2,11.8 22.2,11.3 22.3,11.3 22.6,11 24.2,11 24.2,9.8 23.6,9 23.1,9 22.9,8.8 22.9,7.3 23.1,7.1 ; 12.7,13.4 13.55,13.4 13.55,14.05 12.7,14.05 12.7,13.4
  lines w0.254: 0,4.5 2.25,4.5 ; 0,20.55 2.15,20.55 ; 4.45,22.75 4.45,25 ; 4.5,0 4.5,2.25 ; 56.3,21.35 56.3,25 ; 56.35,0 21,0 21,3.7 56.35,3.7 ; 56.4,0 56.4,3.6 ; 57,22.8 57,25 ; 57.02,0 57.02,2.25 ; 59.21,20.53 61.51,20.53 ; 59.22,4.49 59.22,4.48 61.6,4.48 ; 28.3,25 21,25 21,21.3 28.3,21.3 28.3,25 ; 28.3,25 31.25,25 ; 31.25,25 56.3,25 ; 31.25,25 31.3,21.3 56.3,21.3 56.3,25
  lines w0.61: 2.8,10.2 2.8,14.9
Bottom:
  circle w0.254: c59.25,22.75 r2.228
  circle w0.254: c59.25,2.25 r2.228
  circle w0.254: c2.25,22.75 r2.228
  circle w0.254: c2.25,2.25 r2.228
  lines w0.254: 0,4.5 2.25,4.5 ; 0,20.55 2.15,20.55 ; 4.45,22.75 4.45,25 ; 4.5,0 4.5,2.25 ; 20.95,0 56.35,0 56.35,3.7 ; 21,0 21,3.7 56.35,3.7 ; 56.35,-0.05 56.35,3.7 ; 57,22.8 57,25 ; 57.02,0 57.02,2.25 ; 59.21,20.53 61.41,20.53 ; 59.22,4.48 61.6,4.48 ; 28.3,25 21,25 21,21.3 28.25,21.3 28.3,25 ; 28.3,25 31.25,25 ; 31.25,25 56.3,25 56.3,24.95 ; 31.25,25 31.3,21.3 56.3,21.3 56.3,21.35 ; 56.3,21.35 56.3,24.95 ; 56.3,21.35 56.3,24.95
Keep-Out Layer:
  the board outline again, w0.01

## Silkscreen, mask and mechanical layers (free items; w line width, h text height)
Dimension:
  circle w0.1: c59.25,2.25 r1.206
  circle w0.1: c59.25,22.75 r1.206
  circle w0.1: c2.25,22.75 r1.206
  circle w0.1: c2.25,2.25 r1.206
  lines w0.01: 0,2.25 ccw(c2.25,2.25) 2.25,0 59.25,0 ccw(c59.25,2.25) 61.5,2.25 61.5,22.75 ccw(c59.25,22.75) 59.25,25 2.25,25 ccw(c2.25,22.75) 0,22.75 0,2.25
tPlace:
  drawing of 307 lines, arcs and shapes, not listed

## Text inside footprints (layer, text, board x,y; h text height)
FRAME1: Reference "ARDUINO and other Arduino brands and logos and Trademarks of Arduino SA. All Arduino SA Trademarks cannot be used without owner's formal permission" at -81.04,-51.25 h1.28; Reference "The product information on the Web Site or Materials is subject to change without notice. Do not finalize a design with this info" at -81.04,-46.75 h1.28; Reference "these for future definition and shall have no responsibility whatsoever for conflicts or incompatibilities arising from future changes to them." at -81.04,-44.5 h1.28; Reference "rely on the absence or characteristics of any features or instructions marked \"reserved\" or \"undefined.\" Arduino SA reserves" at -81.04,-42.249 h1.28; Reference "Arduino SA may make changes to specifications and product descriptions at any time, without notice. The Customer must not" at -81.04,-39.999 h1.28; Reference "REGARDING PRODUCTS, INCLUDING BUT NOT LIMITED TO, ANY IMPLIED WARRANTIES OF MERCHANTABILITY OR FITNESS FOR A PARTICULAR PURPOSE" at -81.04,-35.499 h1.28; Reference "Reference Designs ARE PROVIDED \"AS IS\" AND \"WITH ALL FAULTS. Arduino SA DISCLAIMS ALL OTHER WARRANTIES, EXPRESS OR IMPLIED," at -81.04,-33.249 h1.28
FRAME2: Reference "ARDUINO and other Arduino brands and logos and Trademarks of Arduino SA. All Arduino SA Trademarks cannot be used without owner's formal permission" at -80.54,-47.1 h1.28; Reference "The product information on the Web Site or Materials is subject to change without notice. Do not finalize a design with this info" at -80.54,-42.6 h1.28; Reference "these for future definition and shall have no responsibility whatsoever for conflicts or incompatibilities arising from future changes to them." at -80.54,-40.349 h1.28; Reference "rely on the absence or characteristics of any features or instructions marked \"reserved\" or \"undefined.\" Arduino SA reserves" at -80.54,-38.099 h1.28; Reference "Arduino SA may make changes to specifications and product descriptions at any time, without notice. The Customer must not" at -80.54,-35.849 h1.28; Reference "REGARDING PRODUCTS, INCLUDING BUT NOT LIMITED TO, ANY IMPLIED WARRANTIES OF MERCHANTABILITY OR FITNESS FOR A PARTICULAR PURPOSE" at -80.54,-31.349 h1.28; Reference "Reference Designs ARE PROVIDED \"AS IS\" AND \"WITH ALL FAULTS. Arduino SA DISCLAIMS ALL OTHER WARRANTIES, EXPRESS OR IMPLIED," at -80.54,-29.098 h1.28